# Altium PCB Main Board.PcbDoc (part 2 of 2)
Units mm, origin at the board's own origin, x right, y up, seen from the top; angles counter-clockwise.
Board outline 100 x 75.8 mm, 4 copper layers (Top Layer, L1, L2, Bottom Layer), stack 1.743 mm thick; 166 components, 146 nets, 691 pads, 603 vias.
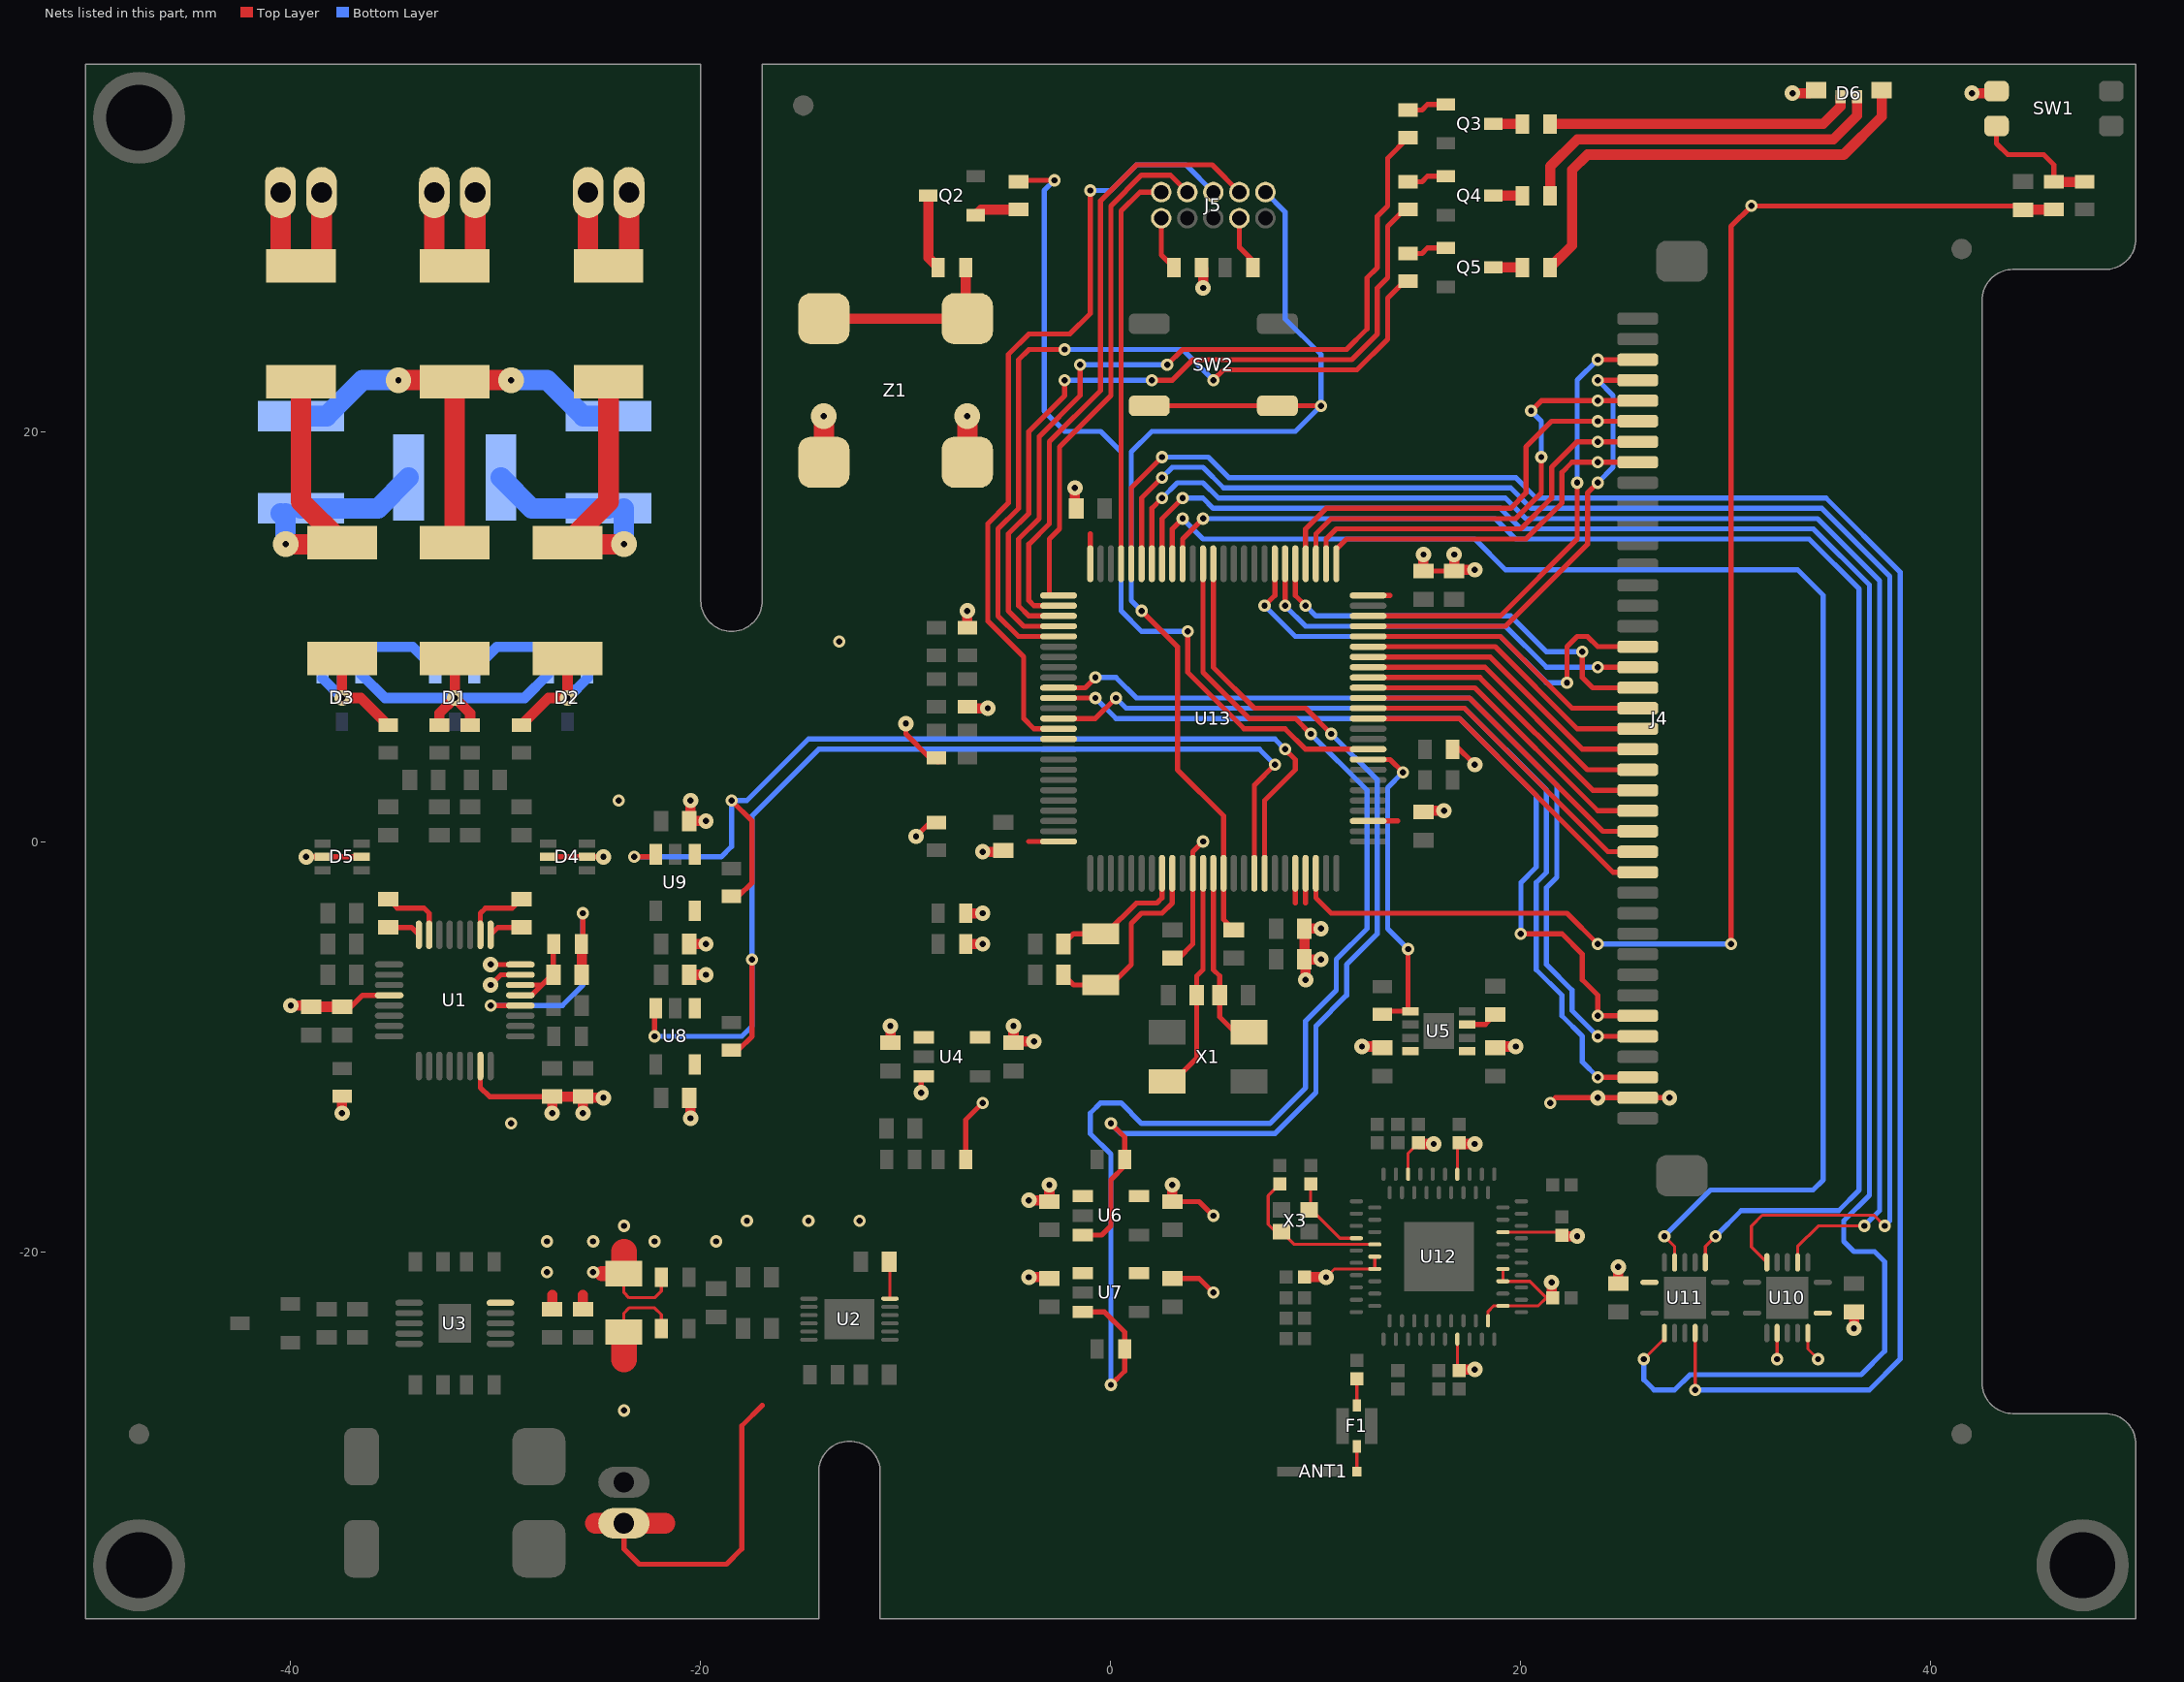
[diagram p4: the nets of this part, all layers, seen from the top]

## Via types
v1: diameter 0.6, hole 0.3, Top Layer to Bottom Layer, tented both sides, 312 vias
v2: diameter 0.75, hole 0.3, Top Layer to Bottom Layer, tented both sides, 137 vias
v3: diameter 0.6, hole 0.3, Top Layer to Bottom Layer, 71 vias
v4: diameter 0.6, hole 0.3, Top Layer to Bottom Layer, tented top, 35 vias
v5: diameter 0.6, hole 0.3, Top Layer to Bottom Layer, tented bottom, 35 vias
v6: diameter 1.25, hole 0.3, Top Layer to Bottom Layer, 4 vias
v7: diameter 0.75, hole 0.3, Top Layer to Bottom Layer, 3 vias
v8: diameter 1.25, hole 0.3, Top Layer to Bottom Layer, tented both sides, 2 vias
v9: diameter 0.75, hole 0.75, Top Layer to Bottom Layer, 2 vias
v10: diameter 1, hole 1, Top Layer to Bottom Layer, 2 vias

## Nets (pads, with @x,y where several pads share a name; then routed paths per layer and width w, separated by ;. In a path a pad name is that pad's centre, name@x,y a point inside that pad or via, vN(x,y) a via of type N, cw(c..) or ccw(c..) an arc to the next point about the centre after c; other vN are vias at no path point) (continued)
FSMC_D4: J4.28 U13.38 | length 16.3
  Top Layer w0.25: U13.38@12.55,6 17,6 24.5,-1.5 J4.28@25.7,-1.5
FSMC_D5: J4.27 U13.39 | length 16
  Top Layer w0.25: U13.39@12.55,6.5 17.25,6.5 24.25,-0.5 J4.27@25.7,-0.5
FSMC_D6: J4.26 U13.40 | length 15.8
  Top Layer w0.25: U13.40@12.55,7 17.5,7 24,0.5 J4.26@25.7,0.5
FSMC_D7: J4.25 U13.41 | length 15.6
  Top Layer w0.25: U13.41@12.55,7.5 17.75,7.5 23.75,1.5 J4.25@25.7,1.5
FSMC_D8: J4.24 U13.42 | length 15.4
  Top Layer w0.25: U13.42@12.55,8 18,8 23.5,2.5 J4.24@25.7,2.5
FSMC_D9: J4.23 U13.43 | length 15.2
  Top Layer w0.25: U13.43@12.55,8.5 18.25,8.5 23.25,3.5 J4.23@25.7,3.5
FSMC_D10: J4.22 U13.44 | length 15
  Top Layer w0.25: U13.44@12.55,9 18.5,9 23,4.5 J4.22@25.7,4.5
FSMC_D11: J4.21 U13.45 | length 14.8
  Top Layer w0.25: U13.45@12.55,9.5 18.75,9.5 22.75,5.5 J4.21@25.7,5.5
FSMC_D12: J4.20 U13.46 | length 14.6
  Top Layer w0.25: U13.46@12.55,10 19,10 22.5,6.5 J4.20@25.7,6.5
FSMC_D13: J4.19 U13.55 | length 20.8
  Top Layer w0.25: U13.55@9,13.55 9,12 v4(9.5,11.5) ; v3(23,9.25) 23,8 23.5,7.5 J4.19@25.7,7.5
  Bottom Layer w0.25: v4(9.5,11.5) 10,11 19.5,11 21.25,9.25 v3(23,9.25)
FSMC_D14: J4.18 U13.56 | length 20.5
  Top Layer w0.25: v4(8.5,11.5) U13.56@8.5,13.55 ; v3(23.75,8.5) J4.18@25.7,8.5
  Bottom Layer w0.25: v4(8.5,11.5) 9.5,10.5 19.25,10.5 21.25,8.5 v3(23.75,8.5)
FSMC_D15: J4.17 U13.57 | length 24.2
  Top Layer w0.25: v4(7.5,11.5) 8,12 U13.57@8,13.55 ; v3(22.25,7.75) 22.25,9.5 22.75,10 23.25,10 23.75,9.5 J4.17@25.7,9.5
  Bottom Layer w0.25: v4(7.5,11.5) 9,10 19,10 21.25,7.75 v3(22.25,7.75)
FSMC_NE1: J4.38 U13.88 | length 43.5
  Top Layer w0.25: U13.88@-2.55,6 -0.75,6 v4(0.25,7) ; v3(23.75,-11.5) J4.38@25.7,-11.5
  Bottom Layer w0.25: v4(0.25,7) 0.75,6.5 17.25,6.5 21.25,2.5 21.25,-1.5 20.75,-2 20.75,-6.25 22,-7.5 22,-8.5 23,-9.5 23,-10.75 v3(23.75,-11.5)
FSMC_NOE: J4.36 U13.85 | length 42.1
  Top Layer w0.25: U13.85@-2.55,7.5 -1.25,7.5 v4(-0.75,8) ; v3(23.75,-9.5) J4.36@25.7,-9.5
  Bottom Layer w0.25: v4(-0.75,8) 0.25,8 1.25,7 17.5,7 21.75,2.75 21.75,-1.75 21.25,-2.25 21.25,-6 22.5,-7.25 22.5,-8.25 v3(23.75,-9.5)
FSMC_NWE: J4.35 U13.86 | length 41
  Top Layer w0.25: U13.86@-2.55,7 v4(-0.75,7) ; v1(20,-4.5) 22,-4.5 23,-5.5 23,-6.75 23.75,-7.5 v3(23.75,-8.5) J4.35@25.7,-8.5
  Bottom Layer w0.25: v4(-0.75,7) 0.25,6 17,6 20.75,2.25 20.75,-1.25 20,-2 v1(20,-4.5)
HCI_CTS: U11.5 U13.71 | length 95.9
  Top Layer w0.15: v3(28.5,-26.75) U11.5@28.5,-23.975
  Top Layer w0.25: U13.71@1,13.55 1,17.25 v3(2.5,18.75)
  Bottom Layer w0.25: v3(2.5,18.75) 4.75,18.75 5.75,17.75 19.75,17.75 20.75,16.75 34.889,16.75 38.5,13.139 38.5,-25.25 37,-26.75 v3(28.5,-26.75)
HCI_RTS: U10.6 U13.70 | length 83.3
  Top Layer w0.15: U10.6@32,-20.525 31.25,-19.775 31.25,-18.75 31.775,-18.225 37.225,-18.225 v3(37.75,-18.75)
  Top Layer w0.25: U13.70@1.5,13.55 1.5,16.75 v3(2.5,17.75)
  Bottom Layer w0.25: v3(2.5,17.75) 3,18.25 4.5,18.25 5.5,17.25 19.5,17.25 20.5,16.25 34.682,16.25 38,12.932 38,-18.5 v3(37.75,-18.75)
HCI_RX: U11.2 U13.68 | length 93.6
  Top Layer w0.15: v3(26,-25.25) 27,-24.25 U11.2@27,-23.975
  Top Layer w0.25: U13.68@2.5,13.55 2.5,15.75 v3(3.5,16.75)
  Bottom Layer w0.25: v3(3.5,16.75) 4.5,16.75 5,16.25 19,16.25 20,15.25 34.268,15.25 37,12.518 37,-17.25 35.75,-18.5 35.75,-19.5 36.25,-20 37.25,-20 37.75,-20.5 37.75,-24.853 36.603,-26 28.25,-26 27.5,-26.75 26.5,-26.75 26,-26.25 v3(26,-25.25)
HCI_TX: U10.3 U13.69 | length 76.9
  Top Layer w0.15: U10.3@33.5,-20.525 33.5,-19.75 34.5,-18.75 v3(36.75,-18.75)
  Top Layer w0.25: U13.69@2,13.55 2,16.25 v3(2.5,16.75)
  Bottom Layer w0.25: v3(2.5,16.75) 3.25,17.5 4.5,17.5 5.25,16.75 19.25,16.75 20.25,15.75 34.475,15.75 37.5,12.725 37.5,-18 v3(36.75,-18.75)
JTCK: J5.4 U13.76 | length 25.4
  Top Layer w0.25: U13.76@-2.55,12 -3,12 -3,14.75 -2.5,15.25 -2.5,19.25 0,21.75 0,31 1.5,32.5 2.9,32.5 J5.4@3.73,31.67
JTDI: J5.8 U13.77 | length 30.5
  Top Layer w0.25: U13.77@-2.55,11.5 -3.75,11.5 -4,11.75 -4,14.5 -3,15.5 -3,19.5 -0.5,22 -0.5,31.25 1.25,33 4.94,33 J5.8@6.27,31.67
JTDO: J5.6 U13.89 | length 38.7
  Top Layer w0.25: U13.89@-2.55,5.5 -3.75,5.5 -4.25,6 -4.25,9 -6,10.75 -6,15.5 -5,16.5 -5,23.75 -4,24.75 -2,24.75 -1,25.75 v3(-1,31.75)
  Bottom Layer w0.25: v3(-1,31.75) 0,31.75 1.25,33 3.67,33 J5.6@5,31.67
JTMS: J5.2 U13.72 | length 19.5
  Top Layer w0.25: U13.72@0.5,13.55 0.5,30.75 1.42,31.67 J5.2@2.46,31.67
LA: JE1.1 JE1.2 R1.1 | length 7.3
  Top Layer w1: R1.1@-25.5,28 JE1.2@-25.5,31.65 ; R1.1@-23.5,28 JE1.1@-23.5,31.65
LL: JE3.1 JE3.2 R3.1 | length 7.3
  Top Layer w1: R3.1@-40.5,28 JE3.2@-40.5,31.65 ; R3.1@-38.5,28 JE3.1@-38.5,31.65
NetANT1_1: ANT1.1 F1.2 | length 1.3
  Top Layer w0.15: ANT1.1@12,-30.75 F1.2@12,-29.5
NetC7_2: C7.2 R11.1 U1.28 | length 12.9
  Top Layer w0.25: v1(-30.25,-8) U1.28@-28.8,-8 ; R11.1@-25.825,-5 -25.75,-4.925 v5(-25.75,-3.5)
  Top Layer w0.5: C7.2@-25.81,-6.5 R11.1@-25.81,-5.015
  Bottom Layer w0.25: v1(-30.25,-8) -26.75,-8 -25.75,-7 v5(-25.75,-3.5)
NetC8_1: C8.1 U1.2 | length 3.3
  Top Layer w0.25: U1.2@-30.75,-4.55 -30.75,-3.5 -30.5,-3.25 -29.19,-3.25 C8.1@-28.75,-2.81
NetC8_2: C8.2 U1.1 | length 1.6
  Top Layer w0.25: U1.1@-30.25,-4.55 -29.89,-4.19 C8.2@-28.75,-4.19
NetC9_1: C9.1 U1.8 | length 1.6
  Top Layer w0.25: C9.1@-35.25,-4.19 -34.11,-4.19 U1.8@-33.75,-4.55
NetC9_2: C9.2 U1.7 | length 3.3
  Top Layer w0.25: C9.2@-35.25,-2.81 -34.81,-3.25 -33.5,-3.25 -33.25,-3.5 U1.7@-33.25,-4.55
NetC31_2: C31.2 U5.3 | length 1.6
  Top Layer w0.25: U5.3@17.39,-8.925 18.265,-8.925 C31.2@18.75,-8.44
NetC43_2: C43.2 U12.A4 X3.1 | length 4.2
  Top Layer w0.15: C43.2@9.75,-16.7 9.75,-17.9 X3.1@9.675,-17.975 9.8,-17.975 11.175,-19.35 U12.A4@11.975,-19.35
NetC44_2: C44.2 U12.B4 X3.3 | length 7.8
  Top Layer w0.15: C44.2@8.25,-16.7 7.675,-17.275 7.675,-18.675 8.025,-19.025 X3.3@8.325,-19.025 8.95,-19.65 11.626,-19.65 12.324,-19.65 U12.B4@12.875,-19.65
NetC45_2: C45.2 F1.4 | length 1.3
  Top Layer w0.15: F1.4@12,-27.5 C45.2@12,-26.2
NetD1_1: D1.1 D3.1 R6.2 R10.1 | length 13
  Top Layer w0.5: R6.2@-37.5,8.925 v7(-37.5,7) -36.575,7 R10.1@-35.25,5.675
  Bottom Layer w0.5: D3.1@-38.45,7.95 v7(-37.5,7) -37.5,8.75 ; -37.5,9 -37,9.5 -34.05,9.5 D1.1@-32.95,8.4
NetD1_2: D1.2 D2.2 R4.2 R7.1 | length 13.1
  Top Layer w0.5: R7.1@-28.75,5.675 -27.425,7 v7(-26.5,7) R4.2@-26.5,8.925
  Bottom Layer w0.5: D1.2@-31.05,8.4 -29.95,9.5 -27,9.5 -26.5,9 ; -26.5,8.75 v7(-26.5,7) D2.2@-25.5,8
NetD2_1: D2.1 D3.2 R5.2 R8.1 R9.1 | length 15.2
  Top Layer w0.5: R9.1@-32.75,5.675 -32.75,6.25 v7(-32,7) ; R5.2@-32,8.925 v7(-32,7) ; R8.1@-31.25,5.675 -31.25,6.25 v7(-32,7)
  Bottom Layer w0.5: D3.2@-36.55,8.15 -35.4,7 v7(-32,7) -28.6,7 D2.1@-27.45,8.15
NetD6_1: D6.1 R39.2 | length 15
  Top Layer w0.5: R39.2@21.425,35 34.75,35 35.6,35.85 D6.1@35.6,36.325
NetD6_2: D6.2 R41.1 | length 18.4
  Top Layer w0.5: R41.1@21.425,31.5 21.425,32.925 22.75,34.25 35.25,34.25 36.4,35.4 D6.2@36.4,36.325
NetD6_3: D6.3 R43.2 | length 22.7
  Top Layer w0.5: R43.2@21.425,28 22.5,29.075 22.5,32.75 23.25,33.5 35.75,33.5 37.6,35.35 D6.3@37.6,36.65
NetJ5_1: J5.1 R46.2 | length 2.7
  Top Layer w0.25: J5.1@2.46,30.4 2.46,28.615 R46.2@3.075,28
NetJ5_7: J5.7 R47.2 | length 2.3
  Top Layer w0.25: J5.7@6.27,30.4 6.27,28.98 R47.2@6.925,28.325
NetN1_1: N1.1 N3.1 R3.2 R6.1 | length 19.1
  Top Layer w1: v6(-40.25,14.5) R6.1@-37.575,14.5 ; R3.2@-39.5,22.425 -39.5,16.575 R6.1@-37.5,14.575
  Bottom Layer w1: N3.1@-40.5,16 N3.1@-40.25,15.75 ; v6(-40.25,14.5) N3.1@-40.25,15.75 ; N3.1@-40.25,16 N3.1@-40.25,15.75 ; N3.1@-39.5,16.25 -35.75,16.25 N1.1@-34.25,17.75
NetN1_2: N1.2 N2.2 R1.2 R4.1 | length 19.1
  Top Layer w1: R1.2@-24.5,22.425 -24.5,16.575 R4.1@-26.5,14.575 -26.425,14.5 v6(-23.75,14.5)
  Bottom Layer w1: N1.2@-29.75,17.75 -28.25,16.25 N2.2@-24.5,16.25 ; v6(-23.75,14.5) N2.2@-23.75,16.25
NetN2_1: N2.1 N3.2 R2.2 R5.1 | length 24.4
  Top Layer w1: v6(-34.75,22.5) -32.075,22.5 R2.2@-32,22.425 ; R5.1@-32,14.575 R2.2@-32,22.425 ; v6(-29.25,22.5) -31.925,22.5 R2.2@-32,22.425
  Bottom Layer w1: N3.2@-39.5,20.75 -38.25,20.75 -36.5,22.5 v6(-34.75,22.5) ; v6(-29.25,22.5) -27.5,22.5 -25.75,20.75 N2.1@-24.5,20.75
NetQ2_1: Q2.1 R36.2 | length 2.2
  Top Layer w0.5: Q2.1@-6.6,30.55 -6.325,30.825 R36.2@-4.5,30.825
NetQ2_3: Q2.3 R37.2 | length 3.7
  Top Layer w0.5: Q2.3@-8.9,31.5 -8.9,28.475 R37.2@-8.425,28
NetQ3_1: Q3.1 R38.2 | length 2
  Top Layer w0.25: R38.2@14.5,35.675 15.175,35.675 15.45,35.95 Q3.1@16.35,35.95
NetQ3_3: Q3.3 R39.1 | length 1.4
  Top Layer w0.5: Q3.3@18.65,35 R39.1@20.075,35
NetQ4_1: Q4.1 R40.2 | length 2
  Top Layer w0.25: R40.2@14.5,32.175 15.175,32.175 15.45,32.45 Q4.1@16.35,32.45
NetQ4_3: Q4.3 R41.2 | length 1.4
  Top Layer w0.5: Q4.3@18.65,31.5 R41.2@20.075,31.5
NetQ5_1: Q5.1 R42.1 | length 2
  Top Layer w0.25: R42.1@14.5,28.675 15.175,28.675 15.45,28.95 Q5.1@16.35,28.95
NetQ5_3: Q5.3 R43.1 | length 1.4
  Top Layer w0.5: Q5.3@18.65,28 R43.1@20.075,28
NetR37_1: R37.1 Z1.2 | length 9.5
  Top Layer w0.5: Z1.2@-14,25.5 Z1.2@-7,25.5 -7.075,25.575 R37.1@-7.075,28
NetR44_2: R44.2 R45.1 SW1.1 | length 6.4
  Top Layer w0.25: SW1.1@43.2,34.9 43.2,34.05 43.75,33.5 45.5,33.5 46,33 R45.1@46,32.175
  Top Layer w0.5: R45.1@46,32.175 R44.2@47.5,32.175
NJTRST: U13.90
NRST: C63.2 J5.10 SW2.3 SW2.4 U13.14 | length 55.5
  Top Layer w0.25: v4(1.5,11.25) 3.25,9.5 3.25,3.5 5.5,1.25 U13.14@5.5,-1.55 5.5,-3.81 C63.2@6,-4.31 ; SW2.3@1.875,21.25 SW2.4@8.125,21.25 v3(10.25,21.25)
  Bottom Layer w0.25: v4(1.5,11.25) 1,11.75 1,19 2,20 9,20 v3(10.25,21.25) 10.25,23.75 8.5,25.5 8.5,30.71 J5.10@7.54,31.67
NSHUTD: U11.9 U13.66 | length 74.8
  Top Layer w0.15: U11.9@29,-20.525 29,-19.75 v3(29.5,-19.25)
  Top Layer w0.25: U13.66@3.5,13.55 3.5,14.75 v3(4.5,15.75)
  Bottom Layer w0.25: v3(4.5,15.75) 18.75,15.75 19.75,14.75 34.061,14.75 36.5,12.311 36.5,-17 35.5,-18 30.75,-18 v3(29.5,-19.25)
PACK+: C18.2 J2.1 R14.1 R15.1 U2.6 | length 25.2
  Top Layer w0.15: R14.1@-23.75,-23.925 -23.75,-23 -23.5,-22.75 -22.25,-22.75 -21.925,-23.075 R15.1@-21.925,-23.75 ; C18.2@-10.81,-20.5 -10.775,-20.535 U2.6@-10.775,-22.3
  Top Layer w0.25: J2.1@-23.75,-33.25 -23.75,-34.5 -23,-35.25 -18.75,-35.25 -18,-34.5 -18,-28.5 -17,-27.5
  Top Layer w1: -25.141,-33.25 J2.1@-23.75,-33.25 -21.75,-33.25
  Top Layer w1.25: -23.75,-25.25 R14.1@-23.75,-23.925
  other v5: -23.75,-27.75
RA: JE2.1 JE2.2 R2.1 | length 7.3
  Top Layer w1: R2.1@-33,28 JE2.2@-33,31.65 ; R2.1@-31,28 JE2.1@-31,31.65
SHIELD: C7.1 R11.2 U1.29 U1.30 | length 4.6
  Top Layer w0.25: U1.29@-28.8,-7.5 -28.25,-7.5 -27.75,-7 ; U1.30@-28.8,-7 -27.75,-7 ; R11.2@-27.175,-5 -27.19,-5.015 C7.1@-27.19,-6.5 -27.25,-6.5 -27.75,-7
SLOW_CLK: U11.12 U13.67 | length 74.1
  Top Layer w0.15: v3(27,-19.25) 27.5,-19.75 U11.12@27.5,-20.525
  Top Layer w0.25: U13.67@3,13.55 3,15.25 v3(3.5,15.75)
  Bottom Layer w0.25: v3(3.5,15.75) 4.5,14.75 17.75,14.75 19.25,13.25 33.5,13.25 34.75,12 34.75,-16.5 34.25,-17 29.25,-17 v3(27,-19.25)
TP_BUSY: J4.4 U13.47 | length 23.1
  Top Layer w0.25: U13.47@12.55,10.5 19.25,10.5 23.25,14.5 23.25,17 v3(23.75,17.5) ; v3(23.75,22.5) J4.4@25.7,22.5
  Bottom Layer w0.25: v3(23.75,17.5) 24.5,18.25 24.5,21.75 v3(23.75,22.5)
TP_CS: J4.8 U13.51 | length 18
  Top Layer w0.25: U13.51@11,13.55 11,14.25 11.5,14.75 20.25,14.75 22,16.5 22,18 22.5,18.5 v3(23.75,18.5) J4.8@25.7,18.5
TP_MISO: J4.5 U13.53 | length 22.9
  Top Layer w0.25: U13.53@10,13.55 10,15 10.75,15.75 19.75,15.75 21,17 v4(21,18.75) ; v4(20.5,21) 21,21.5 v3(23.75,21.5) J4.5@25.7,21.5
  Bottom Layer w0.25: v4(20.5,21) 21,20.5 v4(21,18.75)
TP_MOSI: J4.6 U13.54 | length 21.4
  Top Layer w0.25: U13.54@9.5,13.55 9.5,15.25 10.5,16.25 19.5,16.25 20.25,17 20.25,19.25 21.5,20.5 v3(23.75,20.5) J4.6@25.7,20.5
TP_PEN: J4.3 U13.48 | length 22.9
  Top Layer w0.25: U13.48@12.55,11 19,11 22.75,14.75 v3(22.75,17.5) ; v3(23.75,23.5) J4.3@25.7,23.5
  Bottom Layer w0.25: v3(22.75,17.5) 22.75,22.5 v3(23.75,23.5)
TP_SCLK: J4.7 U13.52 | length 19.2
  Top Layer w0.25: U13.52@10.5,13.55 10.5,14.75 11,15.25 20,15.25 21.5,16.75 21.5,18.25 22.75,19.5 v3(23.75,19.5) J4.7@25.7,19.5
UI_BUZZER: R36.1 U13.35 | length 41.6
  Top Layer w0.25: R36.1@-4.5,32.175 -4.5,32.25 v3(-2.75,32.25) ; v4(3.75,10.25) 3.75,8.25 6.5,5.5 8.5,5.5 9.5,4.5 U13.35@12.55,4.5
  Bottom Layer w0.25: v3(-2.75,32.25) -3.25,31.75 -3.25,21 -2.25,20 -0.5,20 0.5,19 0.5,11.25 1.5,10.25 v4(3.75,10.25)
UI_LED_B: R42.2 U13.80 | length 39.3
  Top Layer w0.25: U13.80@-2.55,10 -4.5,10 -5.5,11 -5.5,15.25 -4.5,16.25 -4.5,23.5 -4,24 v3(-2.25,24) ; v4(5,22.5) 5.5,23 12,23 13.5,24.5 13.5,26.5 14.325,27.325 R42.2@14.5,27.325
  Bottom Layer w0.25: v3(-2.25,24) 3.5,24 v4(5,22.5)
UI_LED_G: R40.1 U13.79 | length 38
  Top Layer w0.25: U13.79@-2.55,10.5 -4.25,10.5 -5,11.25 -5,15 -4,16 -4,20 -2.25,21.75 v3(-2.25,22.5) ; v4(2,22.5) 3,22.5 4,23.5 11.75,23.5 13,24.75 13,27 13.5,27.5 13.5,30 R40.1@14.325,30.825
  Bottom Layer w0.25: v3(-2.25,22.5) v4(2,22.5)
UI_LED_R: R38.1 U13.78 | length 40
  Top Layer w0.25: U13.78@-2.55,11 -4,11 -4.5,11.5 -4.5,14.75 -3.5,15.75 -3.5,19.75 -1.5,21.75 v3(-1.5,23.25) ; v4(2.75,23.25) 3.5,24 11.5,24 12.5,25 12.5,27.5 13,28 13,30.5 13.5,31 13.5,33.325 R38.1@14.5,34.325
  Bottom Layer w0.25: v3(-1.5,23.25) v4(2.75,23.25)
VDD_AFE_A: C10.2 C11.2 C40.2 D4.2 D4.5 D5.2 D5.5 U1.12 U1.31 U1.32 U9.5 | length 14.4
  Top Layer w0.25: v2(-39.25,-0.75) D5.5@-38.45,-0.75 D5.2@-36.55,-0.75 ; C11.2@-37.75,-8.06 C11.2@-37.5,-8.06 -37.06,-8.06 -36.5,-7.5 U1.12@-35.2,-7.5 ; v2(-30.25,-7) -29.75,-6.5 U1.31@-28.8,-6.5 ; v2(-30.25,-6) U1.32@-28.8,-6 ; D4.2@-27.45,-0.75 D4.5@-25.55,-0.75 v2(-24.75,-0.75)
  Top Layer w0.5: v2(-40,-8) -39.06,-8 C10.2@-39,-8.06 C11.2@-37.75,-8.06 ; C40.2@-20.56,-5 v2(-19.75,-5)
  other v3: -24,2
VDD_AFE_A_EN: R35.1 U9.3 U13.18 | length 49.3
  Top Layer w0.25: v3(-23.25,-0.75) -22.325,-0.75 U9.3@-22.2,-0.625 ; R35.1@-18.5,-2.675 -18.175,-2.675 -17.5,-2 -17.5,1 v3(-18.5,2) ; U13.18@7.5,-1.55 7.5,2 9,3.5 9,4 v4(8.5,4.5)
  Bottom Layer w0.25: v3(-23.25,-0.75) -19,-0.75 -18.5,-0.25 v3(-18.5,2) -17.75,2 -14.75,5 8,5 v4(8.5,4.5)
VDD_AFE_D: C12.2 C13.2 C38.2 R12.1 U1.23 U8.5 | length 10.8
  Top Layer w0.25: U1.23@-30.75,-10.95 -30.75,-12 -30.31,-12.44 C13.2@-27.25,-12.44
  Top Layer w0.5: v2(-37.5,-13.25) -37.5,-12.575 -37.425,-12.5 R12.1@-37.5,-12.425 ; v2(-27.25,-13.25) C13.2@-27.25,-12.44 C12.2@-25.75,-12.44 ; v2(-25.75,-13.25) C12.2@-25.75,-12.44 ; v2(-24.75,-12.5) -25.69,-12.5 C12.2@-25.75,-12.44 ; C38.2@-20.56,-12.5 -20.5,-12.56 v2(-20.5,-13.5)
  other v5: -29.25,-13.75
VDD_AFE_D_EN: R34.1 U8.3 U13.17 | length 54.6
  Top Layer w0.25: v1(-22.25,-9.5) -22.25,-8.075 U8.3@-22.2,-8.125 ; R34.1@-18.5,-10.175 -18.175,-10.175 -17.5,-9.5 v5(-17.5,-5.75) ; U13.17@7,-1.55 7,2.75 v4(8,3.75)
  Bottom Layer w0.25: v1(-22.25,-9.5) -18,-9.5 -17.5,-9 v5(-17.5,-5.75) -17.5,1.25 -14.25,4.5 7.25,4.5 v4(8,3.75)
VDD_MCU: C29.2 C41.2 C66.2 C67.2 C68.2 C69.2 C70.2 C71.2 C72.2 C73.2 D6.4 R18.1 R19.1 R20.1 R27.1 R29.1 R30.1 R46.1 R48.2 R50.2 SW1.2 U4.5 U10.10 U10.13 U10.14 U13.11 U13.21 U13.22 U13.28 U13.50 U13.75 U13.100 Z1.1 | length 51.6
  Top Layer w0.15: v1(32.5,-25.25) U10.10@32.5,-23.975 ; U10.13@34,-23.975 34,-24.75 v1(34.5,-25.25)
  Top Layer w0.25: v2(-10,5.75) -10,5.25 -8.825,4.075 R50.2@-8.5,4.075 ; v2(-9.5,0.25) -8.825,0.925 R18.1@-8.5,0.925 ; R27.1@-7.075,-15.5 -7.075,-13.575 v1(-6.25,-12.75) ; -4,0 -3.625,0 U13.100@-2.55,0 ; U13.75@-1,13.55 -1,14.625 -1,15 ; C71.2@3,-5.69 3.31,-5.69 4,-5 U13.11@4,-1.55 4,-0.5 v1(4.5,0) ; 9,-3 U13.21@9,-1.55 ; 9.5,-3 U13.22@9.5,-1.55 ; U13.28@12.55,1 13.625,1 14,1 ; U13.50@12.55,12 13.625,12 ; C66.2@15.25,13.19 C67.2@16.75,13.19 ; R48.2@16.675,4.5 16.837,4.663 v2(17.75,3.75)
  Top Layer w0.5: R50.2@-8.5,4.075 R50.2@-8.425,4 ; R29.1@-7.075,-5 v2(-6.25,-5) ; R30.1@-7.075,-3.5 v2(-6.25,-3.5) ; R19.1@-7,6.575 -6.925,6.5 v2(-6,6.5) ; R20.1@-7,10.425 v2(-7,11.25) ; v2(-6.25,-0.5) -5.31,-0.5 C69.2@-5.25,-0.44 ; v2(-4.75,-9) C29.2@-4.75,-9.81 -4.69,-9.75 v2(-3.75,-9.75) ; C68.2@-1.75,16.31 v2(-1.75,17.25) ; R46.1@4.425,28 4.5,27.925 v2(4.5,27) ; v2(9.5,-6.75) 9.5,-5.81 C72.2@9.44,-5.75 ; v2(10.25,-5.75) C72.2@9.44,-5.75 ; v2(10.25,-4.25) C73.2@9.44,-4.25 C72.2@9.44,-5.75 ; C70.2@15.25,1.44 15.31,1.5 v2(16.25,1.5) ; C66.2@15.25,13.19 v2(15.25,14) ; v2(16.75,14) C67.2@16.75,13.19 16.81,13.25 v2(17.75,13.25) ; v2(33.25,36.5) 34.05,36.5 34.3,36.75 D6.4@34.4,36.65 ; v2(36.25,-23.75) C41.2@36.25,-22.94 ; v2(42,36.5) 43.1,36.5 SW1.2@43.2,36.6
  Top Layer w1: Z1.1@-14,18.5 v8(-14,20.75) ; Z1.1@-7,18.5 v8(-7,20.75)
  other v3: -13.25,9.75
VDD_RF_IO: C36.2 C42.2 C47.2 C48.2 C49.2 C50.2 C51.2 U7.5 U11.14 U12.A17 U12.A34 U12.A38 U12.B18 U12.B19 U12.B21 U12.B22 U12.B25 | length 21.2
  Top Layer w0.15: U12.A38@14.5,-16.225 14.5,-15.2 C49.2@15,-14.7 ; C47.2@16.9,-25.7 U12.A17@16.9,-24.275 ; U12.A34@16.9,-16.225 16.9,-14.8 C48.2@16.95,-14.75 ; U12.B18@18.4,-23.375 18.4,-22.921 18.671,-22.65 U12.B19@19.125,-22.65 20.85,-22.65 C50.2@21.25,-22.25 ; U12.B22@19.125,-20.85 U12.B21@19.125,-21.45 20.45,-21.45 C50.2@21.25,-22.25 ; U12.B25@19.125,-19.05 21.85,-19.05 C51.2@22,-19.2 ; C50.2@21.4,-22.1 C50.2@21.25,-22.25
  Top Layer w0.25: C36.2@3,-21.31 4.31,-21.31 v3(5,-22)
  Top Layer w0.5: C49.2@15.05,-14.75 v2(15.75,-14.75) ; C48.2@16.95,-14.75 C48.2@17,-14.7 17.05,-14.75 v2(17.75,-14.75) ; C47.2@17,-25.8 17.05,-25.75 v2(17.75,-25.75) ; C50.2@21.5,-22.2 v2(21.5,-21.5) ; C51.2@22.05,-19.25 v2(22.75,-19.25) ; C42.2@24.75,-21.56 v2(24.75,-20.75)
VDD_RF_IO_EN: R33.1 U7.3 U13.64 | length 62.2
  Top Layer w0.25: U7.3@-1.375,-22.95 -0.3,-22.95 0.675,-23.925 R33.1@0.675,-24.75 0.675,-25.825 v3(0,-26.5) ; U13.64@4.5,13.55 4.5,8.25 6.75,6 9,6 v4(9.75,5.25)
  Bottom Layer w0.25: v3(0,-26.5) 0,-15.25 -1,-14.25 -1,-13.25 -0.5,-12.75 0.5,-12.75 1.5,-13.75 7.75,-13.75 9.5,-12 9.5,-8.75 11,-7.25 11,-5.75 12.5,-4.25 12.5,2.5 v4(9.75,5.25)
VDD_RF_PW: C34.2 C46.2 U6.5 U12.B5 U12.B6 | length 7.3
  Top Layer w0.15: v2(10.5,-21.25) 10.9,-20.85 U12.B6@12.875,-20.85 U12.B5@12.875,-20.25
  Top Layer w0.25: C34.2@3,-17.56 4.31,-17.56 v3(5,-18.25)
  Top Layer w0.5: C34.2@3,-17.56 v2(3,-16.75) ; C46.2@9.45,-21.25 v2(10.5,-21.25)
VDD_RF_PW_EN: R32.1 U6.3 U13.63 | length 50
  Top Layer w0.25: U6.3@-1.325,-19.25 U6.3@-1.375,-19.2 -0.45,-19.2 0,-18.75 0,-16.5 0.675,-15.825 R32.1@0.675,-15.5 0.675,-14.425 v3(0,-13.75) ; U13.63@5,13.55 5,8.5 7,6.5 9.5,6.5 v4(10.75,5.25)